# Altium PCB nPOC-BB_beta_main-board.PcbDoc (part 2 of 3)
Units mm, origin at the board's own origin, x right, y up, seen from the top; angles counter-clockwise.
Board outline 84.2 x 118.74 mm, 4 copper layers (Top Layer, Layer 2, Layer 3, Bottom Layer), stack 1.528 mm thick; 240 components, 141 nets, 865 pads, 616 vias.
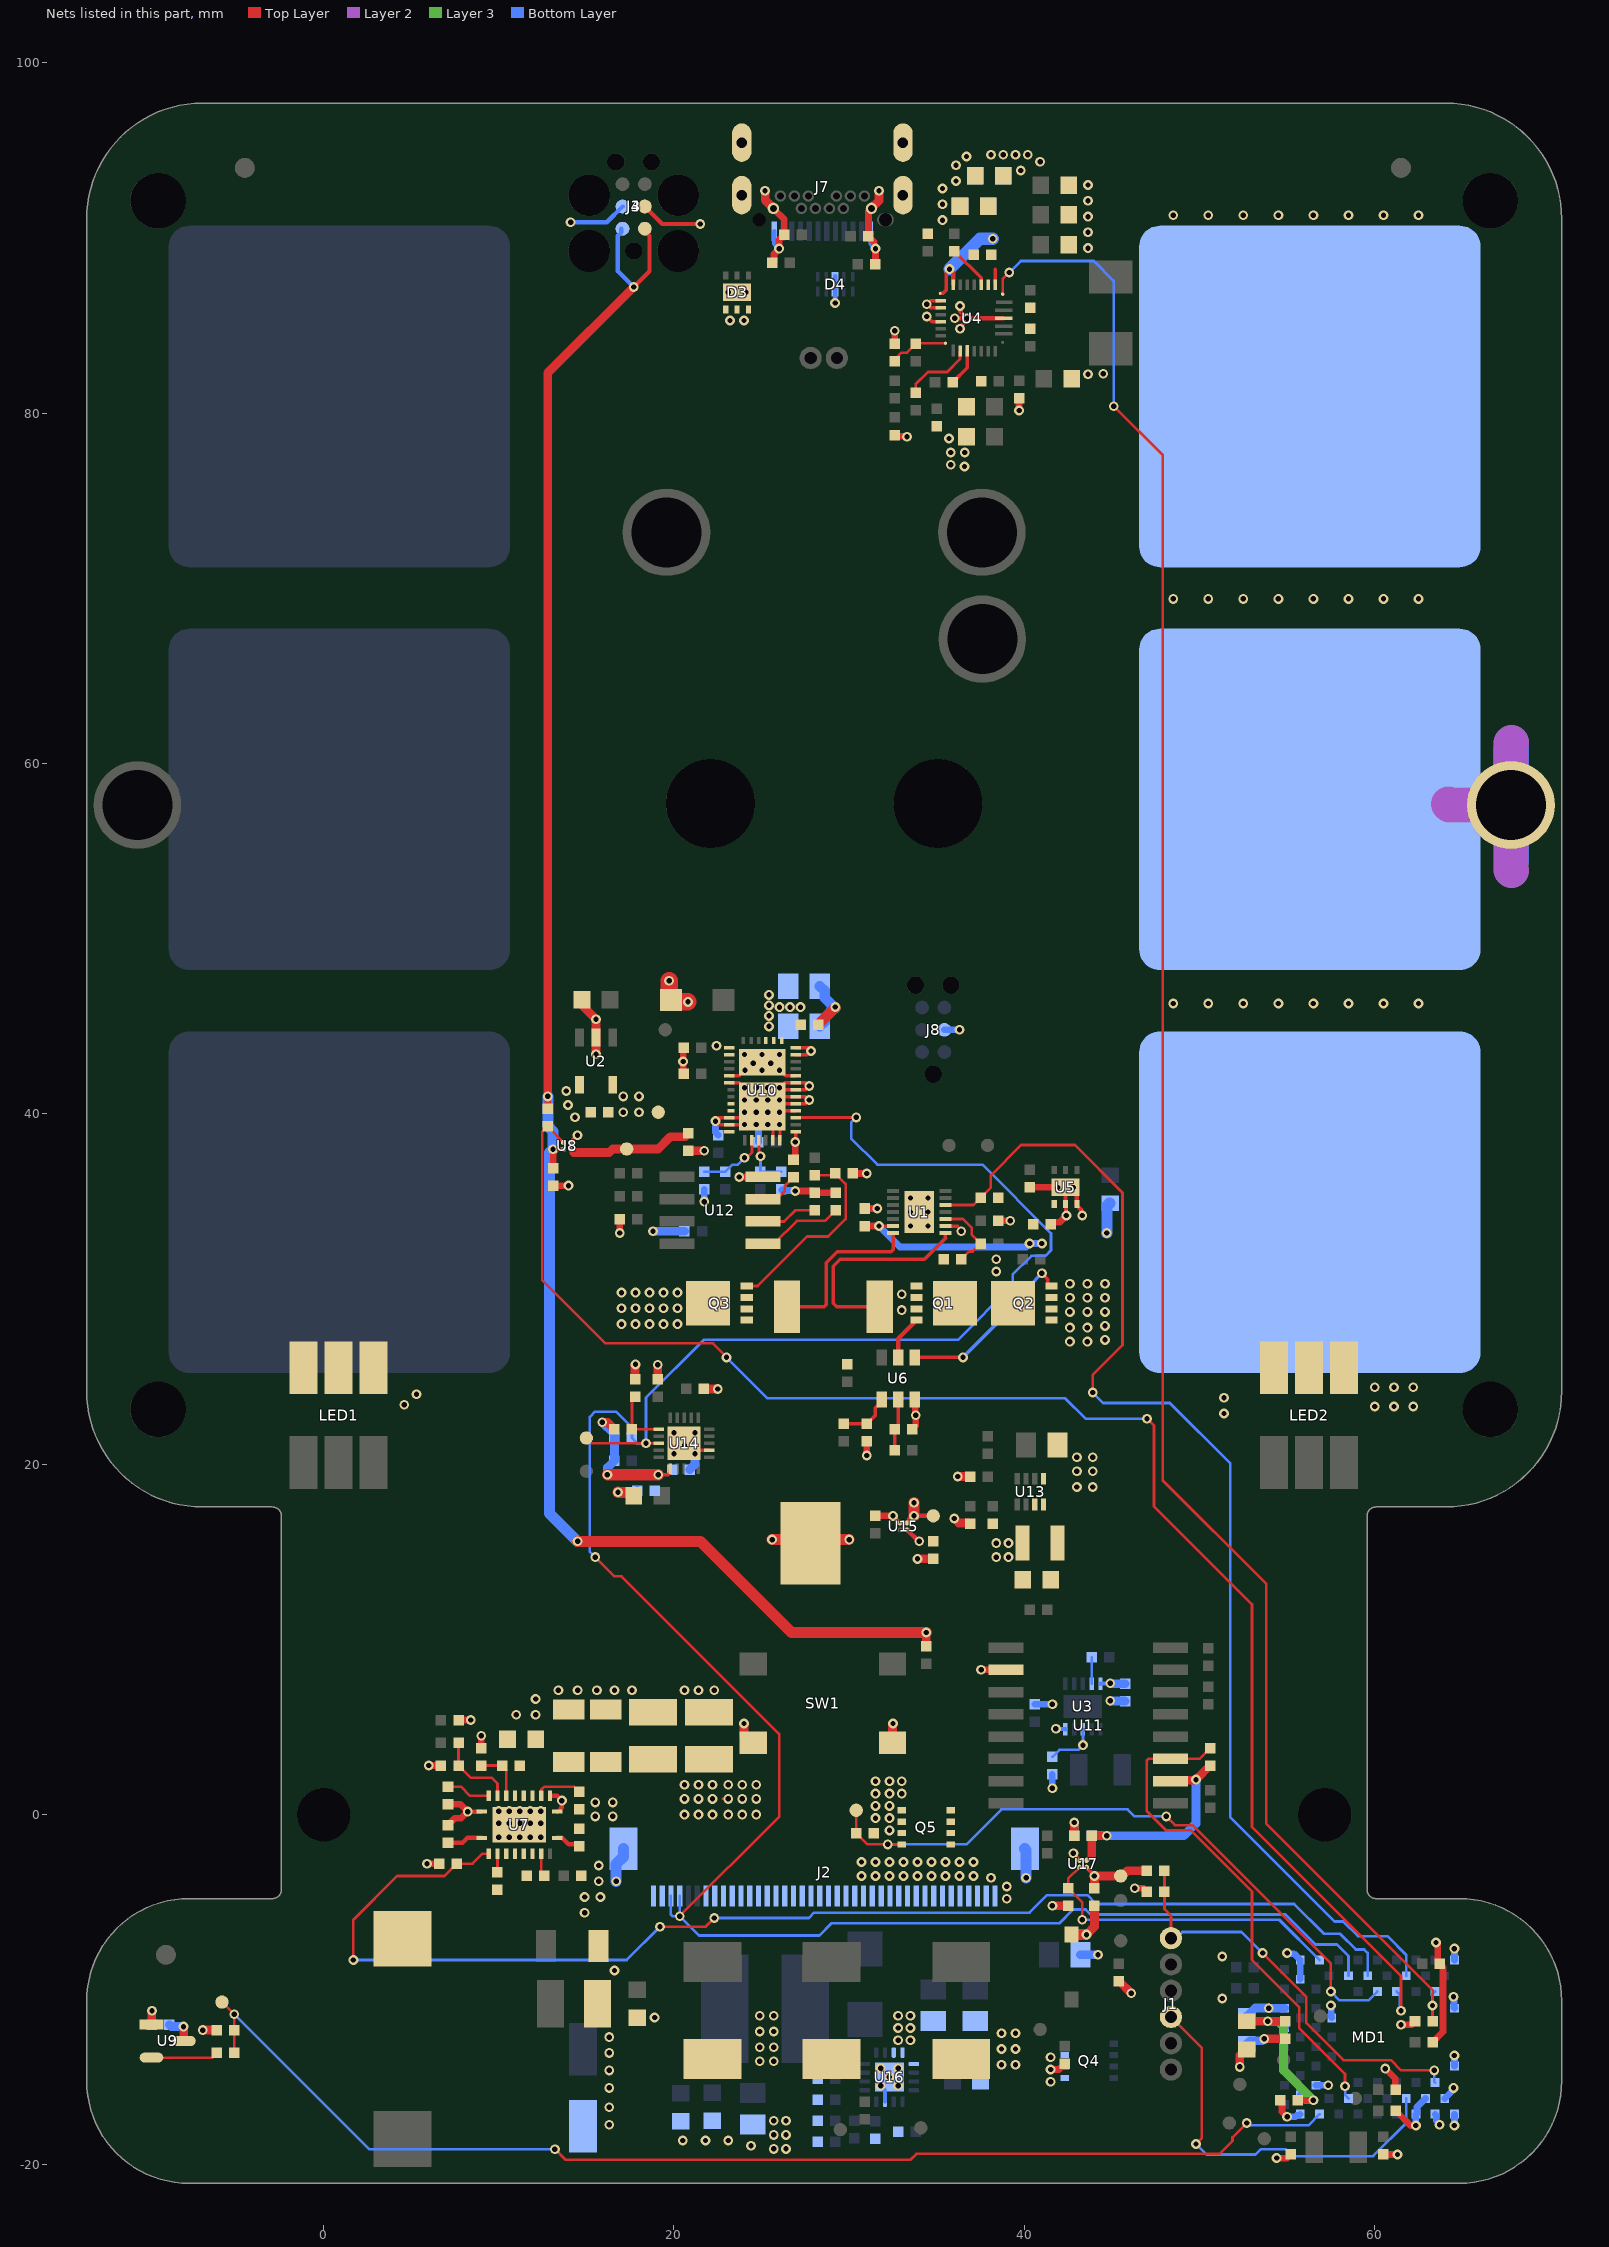
[diagram p4: the nets of this part, all layers, seen from the top]

## Part data (continued)
C55 C56: library part CMP-00652-2, "0402 330 pF 50 V ±5% Tolerance C0G SMT Multilayer Ceramic Capacitor", Case Code (Imperial)=0402, Case Code (Metric)=1005, Dielectric=C0G, Insulation Resistance=10GR, Max Operating Temperature=125°C, Min Operating Temperature=-55°C, Package Quantity=1, Temperature Coefficient=30ppm/°C, Tolerance=5%, Voltage=50V, Case/Package=0402, Construction=Flat, Depth=0.5mm, Height=0.5mm, Install=POP, Lead Free="Lead Free", Length=1mm, Material=Ceramic, Mounting Technology="Surface Mount", Packaging="Tape and Reel", Pins=2, Radiation Hardening=No, Reach SVHC Compliant=No, RoHS Compliant=Yes, Series=GRM, Size=0.5mm, Termination=SMD/SMT, Thickness=0.022inch, Voltage Rating=50V, Voltage Rating (DC)=50V, Width=0.5mm
C57 C58: library part CMP-00654-4, "Multilayer Ceramic Capacitor, 22 uF, 25 V, ± 20%, X5R, 0805 [2012 Metric]", Capacitance=22uF, Install=POP, RoHS Compliant=Yes
C66: library part CMP-00984-1, "0402 8.2 nF 16 V ±10% Tolerance X7R SMT Multilayer Ceramic Capacitor", Case Code (Imperial)=0402, Case Code (Metric)=1005, Dielectric=X7R, Max Operating Temperature=125°C, Min Operating Temperature=-55°C, Package Quantity=1, Tolerance=10%, Voltage Rating=16V, Case/Package=0402, Construction=Flat, Depth=0.5mm, Height=0.5mm, Lead Free="Lead Free", Length=1mm, Mounting Technology="Surface Mount", Packaging="Tape and Reel", Radiation Hardening=No, RoHS Compliant=Yes, Series=GRM, Termination=SMD/SMT, Thickness=0.022inch, Voltage Rating (DC)=16V, Width=0.02inch
C67: library part CMP-00018-1, "DNP CAP", Case Code (Imperial)=0603, Case Code (Metric)=1608, Dielectric=X7R, Manufacturer=Samsung, Manufacturer Part Number=CL10B104KB8NNWC, Max Operating Temperature=125°C, Min Operating Temperature=-55°C, Package Quantity=1, Supplier Part Number 1=1276-1935-1-ND, Tolerance=10%, Voltage Rating=50V, Case/Package=0603, Category="Ceramic Capacitors", ComponentLink1Description=https://datasheet.ciiva.com/6277/s0717e-6277799.pdf?src-supplier=Digi-Key, ComponentLink1URL=https://datasheet.ciiva.com/6277/s0717e-6277799.pdf?src-supplier=Digi-Key, ComponentLink2Description=https://datasheet.ciiva.com/6277/s0717e-6277800.pdf?src-supplier=Digi-Key, ComponentLink2URL=https://datasheet.ciiva.com/6277/s0717e-6277800.pdf?src-supplier=Digi-Key, ComponentLink3Description=https://datasheet.ciiva.com/6277/s0717e-6277801.pdf?src-supplier=Digi-Key, ComponentLink3URL=https://datasheet.ciiva.com/6277/s0717e-6277801.pdf?src-supplier=Digi-Key, ComponentLink4Description=https://datasheet.ciiva.com/25740/cl10b104kb8nnwc-25740227.pdf?src-supplier=Digi-Key, ComponentLink4URL=https://datasheet.ciiva.com/25740/cl10b104kb8nnwc-25740227.pdf?src-supplier=Digi-Key, Construction=Flat, Contact Plating=Tin, Install=DNP, Length=0.063inch, Mount="Surface Mount", Odic Footprint=C0603, Packaging="Cut Tape", Pricing 1="1=0.10000, 10=0.02000, 50=0.01100, 100=0.00910, 500=0.00646, 1000=0.00508 (USD)", RoHS=Yes, RoHS Compliant=Yes, Series=CL, Stock 1=1643, Supplier 1=Digi-Key, Termination=Wraparound, Thickness=0.035inch, Width=0.031inch
C69 C85: library part CMP-00294-2, "Cap Ceramic 10uF 35V X5R 20% Pad SMD 0603 85C T/R", Case Code (Imperial)=0603, Case Code (Metric)=1608, Dielectric=X5R, Max Operating Temperature=85°C, Min Operating Temperature=-55°C, Tolerance=20%, Voltage Rating=35V, Capacitance=10uF, Case/Package=0603, Length=0.063inch, Mount="Surface Mount", Packaging="Cut Tape", RoHS Compliant=Yes, Series=GRM, Thickness=0.039inch, Voltage Rating (DC)=35V, Width=0.031inch
  C69: Install=POP
  C85: Install=DNP
C70 C71: library part CMP-001-00030-1, "Multilayer Ceramic Capacitor, 4.7 uF, 35 V, ± 10%, X7S, 0805 [2012 Metric]", Case Code (Imperial)=0805, Case Code (Metric)=2012, Dielectric=X5R, Max Operating Temperature=85°C, Min Operating Temperature=-55°C, Package Quantity=1, Tolerance=10%, Voltage Rating=50V, Case/Package=0805, Depth=1.25mm, Install=POP, Length=2mm, Material=Ceramic, Mounting Technology="Surface Mount", Packaging="Tape and Reel", Radiation Hardening=No, RoHS Compliant=Yes, Series=CL, Thickness=0.055inch, Voltage Rating (DC)=50V, Width=0.049inch
C72: library part CMP-00293-3, "CAP CER 0.1UF 50V X7R 0603", Case Code (Imperial)=0603, Case Code (Metric)=1608, Dielectric=X7R, Max Operating Temperature=125°C, Min Operating Temperature=-55°C, Package Quantity=1, Tolerance=10%, Voltage Rating=50V, Capacitance=100nF, Case/Package=0603, Construction=Flat, Contact Plating=Tin, Install=POP, Length=0.063inch, Mount="Surface Mount", Packaging="Cut Tape", RoHS Compliant=Yes, Series=CL, Termination=Wraparound, Thickness=0.035inch, Width=0.031inch
C73: library part CMP-00296-2, "CAP CER 1UF 16V X5R 0603", Case Code (Imperial)=0603, Case Code (Metric)=1608, Dielectric=X5R, Max Operating Temperature=85°C, Min Operating Temperature=-55°C, Package Quantity=1, Tolerance=10%, Voltage=16V, Capacitance=1uF, Case/Package=0603, Construction=Flat, Contact Plating=Tin, Depth=0.8mm, Height=0.8mm, Install=POP, Lead Free="Lead Free", Length=1.6mm, Material=Ceramic, Mount="Surface Mount", Packaging="Tape and Reel", Radiation Hardening=No, RoHS Compliant=Yes, Series=CL, Thickness=0.035inch, Voltage Rating=16V, Voltage Rating (DC)=16V, Width=0.031inch
C74: library part CMP-00748-2, "Cap Cer 0.1UF 25V X7R 0805", Capacitance="0.1 uF", Maximum Voltage=25V, Tolerance=10%
C76: library part CMP-00937-1, "Cap Ceramic 300pF 50V C0G 5% SMD 0402 125°C Paper T/R", Case Code (Imperial)=0402, Case Code (Metric)=1005, Dielectric Material=Ceramic, Max Operating Temperature=125°C, Min Operating Temperature=-55°C, Tolerance=5%, Voltage Rating=50V, Case/Package=0402, Lead Free="Lead Free", Material=Ceramic, Packaging="Cut Tape", Pins=2, RoHS Compliant=Yes, Series="SMD Comm C0G", Voltage Rating (DC)=50V
C83: library part CMP-00975-1, "Multilayer Ceramic Capacitor, 4.7 uF, 16 V, ± 10%, X5R, 0805 [2012 Metric]", Case Code (Imperial)=0805, Case Code (Metric)=2012, Dielectric=X5R, Max Operating Temperature=85°C, Min Operating Temperature=-55°C, Package Quantity=3000, Tolerance=10%, Voltage=16V, Case/Package=0805, Depth=1.25mm, Height=1.25mm, Lead Free="Lead Free", Length=0.079inch, Material=Ceramic, Mounting Technology="Surface Mount", Packaging="Cut Tape", RoHS Compliant=Yes, Series=CL, Thickness=0.053inch, Voltage Rating=16V, Voltage Rating (DC)=16V, Width=0.049inch
C84: library part CMP-00371-1, "CAP CER 22UF 6.3V X5R 0603", Capacitance=22uF, Case Code (Imperial)=0603, Case Code (Metric)=1608, Dielectric=X5R, Max Operating Temperature=85°C, Min Operating Temperature=-55°C, Package Quantity=1, Tolerance=20%, Voltage=6.3V, Case/Package=0603, Construction=Flat, Contact Plating=Tin, Depth=0.8mm, Height=0.8mm, Install=POP, Length=1.6mm, Material=Ceramic, Mount="Surface Mount", Packaging="Tape and Reel", Radiation Hardening=No, RoHS Compliant=Yes, Series=CL, Thickness=0.039inch, Voltage Rating=6.3V, Width=0.031inch
D1: library part CMP-00963-2, "MMSZ5254BT1G Zener Diode, 27V 5% 500 mW SMT 2-Pin SOD-123", Breakdown Voltage=14.25V, Case/Package=SOD-123-2, Forward Voltage=900mV, Max Breakdown Voltage=15.75V, Max Operating Temperature=150°C, Max Power Dissipation=500mW, Max Reverse Current=100nA, Min Operating Temperature=-55°C, Package Quantity=3000, Peak Pulse Current=1.9A, Reverse Standoff Voltage=12V, Test Current=4.6mA, Tolerance=5%, Voltage Rating (DC)=27V, Zener Current=10mA, Diode Type=ZENER, Height=1.25mm, Impedance=41R, Lead Free="Lead Free", Length=2.84mm, Material=Plastic, Max Reverse Leakage Current=100nA, Min Breakdown Voltage=14.25V, Packaging="Tape and Reel", Pins=2, Polarity=Unidirectional, Power Dissipation=500mW, Power Rating=500mW, Radiation Hardening=No, Reach SVHC Compliant=No, RoHS Compliant=Yes, Series=-, Termination=SMD/SMT, Voltage Tolerance=5%, Width=1.8mm, Working Voltage=27V, Zener Voltage=27V
D2: library part CMP-00259-3, "Diode Schottky 20V 1A 2-Pin SOD-123FL T/R", Max Operating Temperature=125°C, Max Repetitive Reverse Voltage (Vrrm)=20V, Max Reverse Current=500uA, Min Operating Temperature=-55°C, Peak Non-Repetitive Surge Current=40A, Element Configuration=Single, Install=POP, Mount="Surface Mount", Number of Pins=2, Radiation Hardening=No, RoHS Compliant=Yes
D3: library part CMP-00678-2, "22-V flat-clamp surge protection device 6-WSON -40 to 125", Clamping Voltage=28V, Max Operating Temperature=125°C, Min Operating Temperature=-40°C, Install=POP, Mounting Technology="Surface Mount", Number of Channels=1, Number of Circuits=1, Packaging="Cut Tape", RoHS Compliant=Yes, Series=-
D4: library part CMP-00677-2, "Quad 0.25-pF, ±3.6-V, ±12-kV ESD protection diode for USB 3.0, HDMI 2.0 & High Speed Signals", Max Operating Temperature=125°C, Min Breakdown Voltage=5.5V, Min Operating Temperature=-40°C, Operating Supply Voltage=3.6V, Peak Pulse Current=5A, Peak Pulse Power=17W, Power Line Protection=No, Diode Type=ZENER, Install=POP, Interface=USB,HDMI, Lead Free="Lead Free", Mounting Technology="Surface Mount", Number of Bidirectional Channels=4, Number of Channels=4, Packaging="Cut Tape", Pins=10, Reach SVHC Compliant=No, Reverse Standoff Voltage=3.6V, RoHS Compliant=Yes, Series=-
D7: library part CMP-004-00003-5, "Diode Schottky 40V 2A 2-Pin DO-214AC T/R", Average Rectified Current=2A, Case/Package=SMA, Max Reverse Voltage (DC)=40V, Install=POP, Mount="Surface Mount", Packaging="Tape and Reel", RoHS Compliant=Yes
J1: library part CMP-00968-2, "Header B6B-ZR, 1.50mm, 6-contacts, top entry, THT, /2000/box", Color=Natural, Contact Resistance=20mR, Current Rating=1A, Insulation Resistance=500MR, Package Quantity=2000, Test Voltage=500V, Contact Material=Bronze,Tin, Contact Mating Length=0.094inch, Contact Plating=Tin,Lead, Contact Type="Male Pin", Fastening Type=Detent, Gender=Male, Housing Color=Natural, Housing Material=Nylon, Lead Free="Contains Lead", Mounting Technology="Through Hole", Number of Contacts=6, Number of Positions=6, Number of Rows=1, Orientation=Vertical, Packaging=Bulk, Pitch=0.059inch, Series=ZH, Termination=Press-Fit
J2: library part CMP-00970-3, ".50MM Ffc/fpc Connectors 40CKT R/a SMT Zif Botton Contact", Contact Resistance=20mR, Current Rating=500mA, Flammability Rating="UL94 V-0", Housing Color=Black, Insulation Resistance=50MR, Max Operating Temperature=85°C, Min Operating Temperature=-20°C, Package Quantity=1, Voltage Rating=50V, Actuator Material=Polyphenylene, Contact Location=Bottom, Contact Material=Bronze, Contact Plating=Tin, Depth=5.6mm, Gender=Receptacle, Housing Material=Nylon, Lead Free="Lead Free", Lead Pitch=0.5mm, Length=25.5mm, Mounting Technology="Surface Mount", Number of Contacts=40, Number of Positions=40, Number of Rows=1, Orientation="Right Angle", Packaging="Tape and Reel", Pitch=0.5mm, Radiation Hardening=No, RoHS Compliant=Yes, Series=54132, Termination=Solder, Voltage Rating (DC)=50V, Wire/Cable Type=Straight
J3 J4: library part CMP-00997-3, "Cbl Plug-of-nails to Cortex Swd", Series=Plug-Of-Nails™
J7: library part CMP-00680-3, "USB C Connector, 24 Contact(s), Female, Right Angle, Solder and Surface Mount Terminal, Locking, Receptacle", Insulation Color=Black, Max Operating Temperature=80°C, Min Operating Temperature=-30°C, Voltage Rating=20V, Connector Type=USB, Contact Plating=Gold, Gender=Receptacle, Install=POP, Mating Cycles=10000, Mounting Technology="Surface Mount,Through Hole,Horizontal", Number of Contacts=24, Number of Ports=1, Packaging="Cut Tape", RoHS Compliant=Yes, Series=DX07, Shielding=Shielded, Termination=Solder
J8: library part CMP-00144-9, "6 Pin Tag-Connect Header Footprint. Pads.", Install=DNP
J9: library part CMP-00969-2, "Board Connector, 2 Contact(s), 1 Row(s), Male, Straight, Solder Terminal", Color=Natural, Contact Resistance=20mR, Current Rating=1A, Insulation Resistance=500MR, Package Quantity=2000, Test Voltage=500V, Contact Material=Bronze,Tin, Contact Mating Length=0.094inch, Contact Plating=Tin,Lead, Contact Type="Male Pin", Fastening Type=Detent, Gender=Male, Housing Color=Natural, Housing Material=Nylon, Lead Free="Contains Lead", Mounting Technology="Through Hole", Number of Contacts=2, Number of Positions=2, Number of Rows=1, Orientation=Vertical, Packaging=Bulk, Pitch=0.059inch, Series=ZH, Termination=Press-Fit
L1: library part CMP-00675-2, "FIXED IND 2.2UH 5.8A 29 MOHM", Case/Package=Nonstandard, Current Rating=5.8A, DC Resistance (DCR)=29mR, Max Operating Temperature=125°C, Min Operating Temperature=-55°C, Saturation Current=9A, Test Frequency=100kHz, Tolerance=20%, Core Material=Metal, Height - Seated (Max)=0.118inch, Install=POP, Length=0.205inch, Mounting Technology="Surface Mount", Packaging="Tape and Reel", RoHS Compliant=Yes, Series=0530CDMC/DS, Shielding=Shielded, Width=0.205inch
L2: library part CMP-00976-2, "Inductor Power Shielded Wirewound 4.7uH 20% 100KHz Powdered Iron 10A 15mOhm DCR 5050 T/R", Case/Package=5050, Current Rating=10A, DC Resistance (DCR)=15mR, Inductance Tolerance=20%, Inductor Type="HIGH FREQUENCY", Max Operating Temperature=125°C, Min Operating Temperature=-55°C, Package Quantity=500, Saturation Current=24A, Self Resonant Frequency=5MHz, Test Frequency=100kHz, Core Material=Metal,Composite,Ferrite, Depth=12.9mm, ESR=15mR, Height=3.5mm, Lead Free="Lead Free", Length=13.2mm, Max Current Rating=10A, Max DC Current=10A, Military Standard=Not, Mounting Technology="Surface Mount", Packaging="Tape and Reel", Pins=5050, Radiation Hardening=No, Reach SVHC Compliant=Unknown, RMS Current (Irms)=10A, RoHS Compliant=Yes, Series=IHLP-5050CE-01, Shielding=Shielded, Termination=SMD/SMT, Tolerance=20%, Width=12.9mm
L3: library part CMP-00972-2, "Ind Power Chip Shielded Wirewound 2.2uH 20% 1MHz Metal 2.2A 1008 Emboss T/R", Current Rating=2.2A, Inductance=2.2uH, Saturation Current=2.8A, Tolerance=+/-20%, DCR="84 mOhm max", RoHS Compliant=Yes
L4: library part CMP-00936-3, "WE-LQSA SMT Semi-Shielded Power Inductor 1.5uH 6.1 A 13mOhm Max", Current Rating=6.1A, Saturation Current=9.7A, Install=POP
LED1 LED2: library part CMP-00100-4, "Blue/Red/Green 100º 400/800/1000 mcd Clear Surface Mount LED Lamp", Case/Package=SMD/SMT, Color=Blue,Green,Red, Forward Current=20mA, Forward Voltage=3.3V, Lens Color=Clear, Max Operating Temperature=85°C, Min Operating Temperature=-40°C, Package Quantity=500, Test Current=30mA, Dominant Wavelength=465nm, Height=2.3mm, Illumination Color=Blue,Green,Red, Install=POP, Lead Free="Lead Free", Length=5mm, Lens Style=Clear, Luminous Intensity=400mcd, Mount="Surface Mount", Packaging="Cut Tape", RoHS Compliant=Yes, Viewing Angle=100°, Width=6mm
MD1: library part CMP-002-000005-3, "BMD-340 Series 3.6 V 2.5 GHz -96 dBm Stand-Alone Bluetooth 5 Low Energy Module", Case/Package=Module, Current - Receiving=11.7mA, Current - Transmitting=26.7mA, Frequency=2.5GHz, Max Operating Temperature=85°C, Min Operating Temperature=-40°C, Package=None, Data Rate=2Mbps, Design Item ID=BMD-330-A-R, Install=POP, Interface=I2C,SPI,UART, Memory Size=256KB, Mounting Technology="Surface Mount", MP=BMD-330-A-R, Packaging="Tape and Reel", Price=None, RoHS Compliant=Yes, Sensitivity=-103dBm, Series=BMD-34, Source=BMD-330-A-R.SchLib
MNT1 MNT4 MNT5: library part CMP-00998-2, "4mm hole to accept banana plug"
MNT2 MNT3: library part CMP-001-0010-3, "Hole for 10AWG solder connection"
Q1 Q2 Q3: library part CMP-00688-4, "30-V, N channel NexFET™ power MOSFET, single SON 3 mm x 3 mm, 6.4 mOhm 8-VSONP -55 to 150", Case/Package=VSON, Continuous Drain Current (ID)=19A, Drain to Source Breakdown Voltage=30V, Drain to Source Resistance=5.3mR, Gate to Source Voltage (Vgs)=20V, Input Capacitance=2.31nF, Max Operating Temperature=150°C, Max Power Dissipation=53W, Min Operating Temperature=-55°C, Package Quantity=250, Power Dissipation=2.8W, Threshold Voltage=1.4V, Contact Plating=Tin, Drain to Source Voltage (Vdss)=30V, Element Configuration=Single, Fall Time=4ns, Install=POP, Lead Free="Lead Free", Mounting Technology="Surface Mount", Number of Channels=1, Number of Elements=1, Packaging="Tape and Reel", Pins=8, Polarity=N-CHANNEL, Rds On Max=4.8mR, Reach SVHC Compliant=No, Rise Time=31ns, RoHS Compliant=Yes, Series=NexFET™, Turn-Off Delay Time=20ns, Turn-On Delay Time=4ns
Q4 Q5: library part CMP-00921-2, "Trans Mosfet N-ch 30V 28A 8-PIN Dfn-a Ep", Case/Package=DFN, Continuous Drain Current (ID)=28A, Drain to Source Voltage (Vdss)=30V, Input Capacitance=2.25nF, Max Operating Temperature=150°C, Max Power Dissipation=32W, Min Operating Temperature=-55°C, Install=POP, Mounting Technology="Surface Mount", Packaging="Cut Tape", Rds On Max=3.3mR, RoHS Compliant=Yes, Series=AlphaMOS
R1 R63 R64 R65 R66 R67 R68: library part CMP-00319-1, "RES 0 OHM JUMPER 1/16W 0402", Case Code (Imperial)=0402, Case Code (Metric)=1005, Current Rating=1A, Max Operating Temperature=155°C, Max Power Dissipation=63mW, Min Operating Temperature=-55°C, Resistor Type="Thick Film", Working Voltage=50V, Case/Package=0402, Construction=Rectangular, Contact Plating=Tin,Matte, Depth=0.5mm, Features="Automotive AEC-Q200", Height=0.016inch, Install=POP, Lead Free="Lead Free", Length=0.039inch, Military Standard=Not, Mount="Surface Mount", Number of Terminations=2, Packaging="Tape and Reel", Power Rating=63mW, Radiation Hardening=No, Resistance=0R, RoHS Compliant=Yes, Series=RMCF, Technology="THICK FILM", Width=0.02inch
R2: library part CMP-00334-1, "Res Thkflm 0603 0 Ohm Jumper 1/10W 100Ppm/ C Smd Rohs Compliant: Yes", Case Code (Imperial)=0603, Case Code (Metric)=1608, Current Rating=1A, Max Operating Temperature=155°C, Max Power Dissipation=100mW, Min Operating Temperature=-55°C, Resistance=0R, Resistor Type="Thick Film", Working Voltage=75V, Case/Package=0603, Construction=Rectangular, Contact Plating=Tin,Matte, Depth=0.8mm, Features="Automotive AEC-Q200", Height=0.022inch, Install=POP, Lead Free="Lead Free", Length=1.55mm, Military Standard=Not, Mount="Surface Mount", Number of Terminations=2, Packaging="Tape and Reel", Power Rating=100mW, Radiation Hardening=No, RoHS Compliant=Yes, Series=RMCF, Width=0.031inch
R3 R17 R19 R33 R38 R57 R58 R69: library part CMP-00351-1, "Res General Purpose Thick Film 0402 100K Ohm 1% 1/16W ±100ppm/°C Molded SMD Paper T/R", Case Code (Imperial)=0402, Case Code (Metric)=1005, Max Operating Temperature=155°C, Max Power Dissipation=63mW, Min Operating Temperature=-55°C, Package Quantity=1, Resistance=100kR, Resistance Tolerance=1%, Resistor Type="Thick Film", Temperature Coefficient=100ppm/°C, Voltage Rating=50V, Case/Package=0402, Construction=Rectangular, Depth=0.5mm, Features="Moisture Resistant", Height=0.016inch, Install=POP, Lead Free="Lead Free", Length=0.039inch, Military Standard=Not, Number of Terminations=2, Packaging="Tape and Reel", Power Rating=63mW, REACH SVHC="No SVHC", RoHS Compliant=Yes, Series=RC, Technology="THICK FILM", Termination=SMD/SMT, Tolerance=1%, Width=0.02inch, Working Voltage=50V
R4: library part CMP-00307-2, "Surface Mount Chip Resistor, Thick Film, RC Series, 1 kohm, 62.5 mW, 1%, 50 V, 0402 [1005 Metric]", Case Code (Imperial)=0402, Case Code (Metric)=1005, Max Operating Temperature=155°C, Max Power Dissipation=63mW, Min Operating Temperature=-55°C, Power Rating=62.5mW, Resistance=1kR, Resistance Tolerance=1%, Resistor Type="Thick Film", Temperature Coefficient=100ppm/°C, Voltage Rating=50V, Case/Package=0402, Construction=Rectangular, Depth=0.5mm, Features="Moisture Resistant", Height=0.32mm, Install=POP, Lead Free="Lead Free", Length=1mm, Military Standard=Not, Number of Pins=2, Number of Terminations=2, Packaging="Tape and Reel", REACH SVHC="No SVHC", RoHS Compliant=Yes, Series=RC, Size Code=0402, Technology="THICK FILM", Termination=SMD/SMT, Tolerance=1%, Voltage Rating (DC)=50V, Width=0.5mm
R5 R6 R7 R8 R11 R12 R23 R35 R36: library part CMP-00336-2, "RES 4.7K OHM 1% 1/16W 0402", Case Code (Imperial)=0402, Case Code (Metric)=1005, Max Operating Temperature=155°C, Max Power Dissipation=63mW, Min Operating Temperature=-55°C, Power Rating=62.5mW, Resistance=4.7kR, Resistance Tolerance=1%, Resistor Type="Thick Film", Temperature Coefficient=100ppm/°C, Voltage Rating=50V, Case/Package=0402, Construction=Rectangular, Depth=0.5mm, Features="Moisture Resistant", Height=0.32mm, Height - Seated (Max)=0.016inch, Install=POP, Lead Free="Lead Free", Length=1mm, Military Standard=Not, Number of Pins=2, Number of Terminations=2, Packaging="Tape and Reel", REACH SVHC="No SVHC", RoHS Compliant=Yes, Series=RC, Size Code=0402, Termination=SMD/SMT, Tolerance=1%, Voltage Rating (DC)=50V, Width=0.5mm
R9 R10: library part CMP-009-00036-1, "SMD Chip Resistor, 27 Ohm, ± 1%, 100 mW, 0402 [1005 Metric], Thick Film, Precision", Case Code (Imperial)=0402, Case Code (Metric)=1005, Max Operating Temperature=155°C, Max Power Dissipation=100mW, Min Operating Temperature=-55°C, Package Quantity=1, Resistance Tolerance=1%, Resistor Type="Thick Film", Temperature Coefficient=100ppm/°C, Voltage Rating=50V, Case/Package=0402, Contact Plating=Tin, Depth=0.5mm, Features="Automotive AEC-Q200", Height=0.35mm, Install=POP, Lead Free="Lead Free", Length=1mm, Mounting Technology="Surface Mount", Number of Terminations=2, Packaging="Tape and Reel", Pins=2, Power Rating=100mW, Reach SVHC Compliant=No, RoHS Compliant=Yes, Series=ERJ, Technology="THICK FILM", Termination=SMD/SMT, Tolerance=1%, Voltage Rating (DC)=50V, Weight=2.8E-05oz, Width=0.5mm
R13: library part CMP-00991-1, "SMD Chip Resistor, 200 kOhm, ± 0.1%, 63 mW, 0402 [1005 Metric], Thin Film, Precision", Case Code (Imperial)=0402, Case Code (Metric)=1005, Max Operating Temperature=155°C, Max Power Dissipation=63mW, Min Operating Temperature=-55°C, Number of Resistors=1, Operating Supply Voltage=25V, Package Quantity=1000, Resistance Tolerance=0.1%, Resistor Type="Thin Film", Temperature Coefficient=25ppm/°C, Case/Package=0402, Contact Plating=Tin, Depth=500um, ELV=Compliant, Height=0.3mm, Lead Free="Lead Free", Length=1mm, Military Standard=Not, Mounting Technology="Surface Mount", Number of Terminations=2, Packaging="Tape and Reel", Power Rating=63mW, Radiation Hardening=No, Reach SVHC Compliant=No, RoHS Compliant=Yes, Series=CPF, Termination=Solder, Tolerance=0.1%, Voltage Rating=25V, Voltage Rating (DC)=25V, Weight=2.3E-05oz, Width=0.5mm
R14: library part CMP-009-00016-1, "Res General Purpose Thick Film 0402 100 Ohm 1% 1/16W ±200ppm/°C Molded SMD Paper T/R", Case Code (Imperial)=0402, Case Code (Metric)=1005, Max Operating Temperature=155°C, Max Power Dissipation=63mW, Min Operating Temperature=-55°C, Power Rating=62.5mW, Resistance Tolerance=1%, Resistor Type="Thick Film", Temperature Coefficient=100ppm/°C, Voltage Rating=50V, Case/Package=0402, Construction=Rectangular, Depth=0.5mm, Features="Moisture Resistant", Height=0.32mm, Install=POP, Lead Free="Lead Free", Length=1mm, Military Standard=Not, Number of Terminations=2, Packaging="Tape and Reel", Pins=2, Reach SVHC Compliant=No, RoHS Compliant=Yes, Series=RC, Technology="THICK FILM", Termination=SMD/SMT, Tolerance=1%, Voltage Rating (DC)=50V, Width=0.5mm
R15: library part CMP-01000-1, "Res, 330K, 0.1W, 0402, Thin Film Rohs Compliant: Yes", Package=0402, Tolerance=0.1%
R16 R20 R39 R40 R47 R72 R74 R77: library part CMP-00319-1, "RES 0 OHM JUMPER 1/16W 0402", Case Code (Imperial)=0402, Case Code (Metric)=1005, Current Rating=1A, Max Operating Temperature=155°C, Max Power Dissipation=63mW, Min Operating Temperature=-55°C, Resistance=0R, Resistor Type="Thick Film", Working Voltage=50V, Case/Package=0402, Construction=Rectangular, Contact Plating=Tin,Matte, Depth=0.5mm, Features="Automotive AEC-Q200", Height=0.016inch, Lead Free="Lead Free", Length=0.039inch, Military Standard=Not, Mount="Surface Mount", Number of Terminations=2, Packaging="Tape and Reel", Power Rating=63mW, Radiation Hardening=No, RoHS Compliant=Yes, Series=RMCF, Technology="THICK FILM", Width=0.02inch
  R16 R39 R40 R47 R72 R77: Install=POP
  R20 R74: Install=DNP
R18: library part CMP-00365-2, "NTC Thermistor 10k 0603 (1608 Metric)", Case Code (Imperial)=0603, Case Code (Metric)=1608, Max Operating Temperature=125°C, Max Power Dissipation=100mW, Min Operating Temperature=-40°C, Resistance Tolerance=1%, Case/Package=0603, Install=POP, Reach SVHC Compliant=Yes, RoHS Compliant=Yes, Series=NCU
R21 R24: library part CMP-00335-2, "Res Thick Film 0402 470 Ohm 1% 0.063W(1/16W) ±100ppm/C Pad SMD T/R", Case Code (Imperial)=0402, Case Code (Metric)=1005, Max Operating Temperature=155°C, Max Power Dissipation=63mW, Min Operating Temperature=-55°C, Package Quantity=1, Power Rating=62.5mW, Resistance=470R, Resistance Tolerance=1%, Resistor Type="Thick Film", Temperature Coefficient=100ppm/°C, Voltage Rating=50V, Case/Package=0402, Construction=Rectangular, Depth=0.5mm, Features="Moisture Resistant", Height=0.016inch, Install=POP, Lead Free="Lead Free", Length=1mm, Military Standard=Not, Number of Terminations=2, Packaging="Tape and Reel", REACH SVHC="No SVHC", RoHS Compliant=Yes, Series=RC, Size Code=0402, Termination=SMD/SMT, Tolerance=1%, Width=0.02inch
R22: library part CMP-00977-1, "SMD Chip Resistor, 8.2 kOhm, ± 1%, 62.5 mW, 0402 [1005 Metric], Thick Film, General Purpose", Case Code (Imperial)=0402, Case Code (Metric)=1005, Max Operating Temperature=155°C, Max Power Dissipation=63mW, Min Operating Temperature=-55°C, Package Quantity=1, Resistance Tolerance=1%, Resistor Type="Thick Film", Temperature Coefficient=100ppm/°C, Voltage Rating=50V, Case/Package=0402, Construction=Rectangular, Depth=0.5mm, Features="Moisture Resistant", Height=0.016inch, Lead Free="Lead Free", Length=1mm, Military Standard=Not, Number of Terminations=2, Packaging="Tape and Reel", Power Rating=63mW, Reach SVHC Compliant=Unknown, RoHS Compliant=Yes, Series=RC, Technology="THICK FILM", Termination=SMD/SMT, Tolerance=1%, Voltage Rating (AC)=50V, Weight=2.3E-05oz, Width=0.02inch, Working Voltage=50V
R25: library part CMP-00390-1, "Res General Purpose Thick Film 0402 2K Ohm 1% 1/16W ±100ppm/°C Molded SMD Paper T/R", Case Code (Imperial)=0402, Case Code (Metric)=1005, Max Operating Temperature=155°C, Max Power Dissipation=63mW, Min Operating Temperature=-55°C, Package Quantity=1, Resistance=2kR, Resistance Tolerance=1%, Resistor Type="Thick Film", Temperature Coefficient=100ppm/°C, Voltage Rating=50V, Case/Package=0402, Construction=Rectangular, Depth=0.5mm, Features="Moisture Resistant", Height=0.016inch, Install=POP, Lead Free="Lead Free", Length=0.039inch, Military Standard=Not, Number of Terminations=2, Packaging="Tape and Reel", Power Rating=63mW, RoHS Compliant=Yes, Series=RC, Technology="THICK FILM", Termination=SMD/SMT, Tolerance=1%, Voltage Rating (DC)=50V, Width=0.02inch, Working Voltage=50V
R26 R27 R28 R29 R41 R42 R43 R44 R45 R46 R48 R49 R50 R53 R59 R62: library part CMP-00352-1, "Res Thick Film 0402 10K Ohm 1% 1/16W ±100ppm/°C Molded SMD SMD T/R", Case Code (Imperial)=0402, Case Code (Metric)=1005, Max Operating Temperature=155°C, Max Power Dissipation=63mW, Min Operating Temperature=-55°C, Package Quantity=1, Resistance=10kR, Resistor Type="Thick Film", Temperature Coefficient=100ppm/°C, Tolerance=1%, Case/Package=0402, Construction=Rectangular, Contact Plating=Tin, Depth=0.5mm, Features="Moisture Resistant", Height=0.016inch, Length=0.039inch, Military Standard=Not, Mount="Surface Mount", Number of Terminations=2, Packaging="Tape and Reel", Power Rating=63mW, Radiation Hardening=No, RoHS Compliant=Yes, Series=RC, Size Code=0402, Width=0.02inch
  R26 R27 R28 R29 R41 R42 R43 R44 R45 R46 R48 R49 R53 R59 R62: Install=POP
  R50: Install=DNP
R30 R55: library part CMP-00015-3, "Unpopulated 0402 pads. No part number associated with this \"component\"", Install=DNP, Odic Footprint=R0402
R31: library part CMP-00742-2, "SMD Chip Resistor, 18 kOhm, ± 1%, 63 mW, 0402 [1005 Metric], Thick Film, General Purpose", Case Code (Imperial)=0402, Case Code (Metric)=1005, Max Operating Temperature=155°C, Max Power Dissipation=63mW, Min Operating Temperature=-55°C, Package Quantity=1, Resistance Tolerance=1%, Resistor Type="Thick Film", Temperature Coefficient=100ppm/°C, Voltage Rating=50V, Case/Package=0402, Construction=Rectangular, Depth=0.5mm, Features="Moisture Resistant", Height=0.016inch, Install=POP, Lead Free="Lead Free", Length=1mm, Military Standard=Not, Number of Terminations=2, Packaging="Tape and Reel", Power Rating=63mW, Reach SVHC Compliant=Unknown, RoHS Compliant=Yes, Series=RC, Technology="THICK FILM", Termination=SMD/SMT, Tolerance=1%, Voltage Rating (AC)=50V, Width=0.02inch
R32: library part CMP-00966-1, "Res Thick Film 0402 332K Ohm 1% 0.1W(1/10W) ±100ppm/°C Pad SMD Automotive T/R", Case Code (Imperial)=0402, Case Code (Metric)=1005, Max Operating Temperature=155°C, Min Operating Temperature=-55°C, Package Quantity=10000, Power Rating=63mW, Temperature Coefficient=100ppm/°C, Tolerance=1%, Voltage Rating=50V, Case/Package=0402, Construction=Rectangular, Depth=0.5mm, Height=0.35mm, Lead Free="Lead Free", Length=1mm, Military Standard=MIL-R-55342F, Mounting Technology="Surface Mount", Packaging="Tape and Reel", RoHS Compliant=Yes, Series=RK73H, Technology="THICK FILM", Termination=SMD/SMT, Voltage Rating (DC)=50V, Width=0.5mm
R34: library part CMP-00939-1, "Res Thick Film 0402 24.9K Ohm 1% 1/10W ±100ppm/", Case Code (Imperial)=0402, Case Code (Metric)=1005, Max Operating Temperature=155°C, Max Power Dissipation=100mW, Min Operating Temperature=-55°C, Package Quantity=1, Ratings=AEC-Q200, Resistance Tolerance=1%, Resistor Type="Thick Film", Temperature Coefficient=100ppm/°C, Voltage Rating=50V, Case/Package=0402, Construction=Rectangular, Contact Plating=Tin, Depth=0.5mm, Features="Automotive AEC-Q200", Height=0.016inch, Install=POP, Lead Free="Lead Free", Length=1mm, Military Standard=Not, Mounting Technology="Surface Mount", Number of Terminations=2, Packaging="Tape and Reel", Power Rating=100mW, Reach SVHC Compliant=No, RoHS Compliant=Yes, Series=ERJ, Termination=SMD/SMT, Tolerance=1%, Voltage Rating (DC)=50V, Weight=2.8E-05oz, Width=0.5mm
R37: library part CMP-00309-1, "Res Thick Film 0402 33K Ohm 1% 0.063W(1/16W) ±100ppm/C Pad SMD T/R", Case Code (Imperial)=0402, Case Code (Metric)=1005, Max Operating Temperature=155°C, Max Power Dissipation=63mW, Min Operating Temperature=-55°C, Package Quantity=1, Resistance=33kR, Resistance Tolerance=1%, Resistor Type="Thick Film", Temperature Coefficient=100ppm/°C, Voltage Rating=50V, Case/Package=0402, Construction=Rectangular, Depth=0.5mm, Features="Moisture Resistant", Height=0.016inch, Install=POP, Lead Free="Lead Free", Length=1mm, Military Standard=Not, Number of Pins=2, Number of Terminations=2, Packaging="Tape and Reel", Power Rating=63mW, REACH SVHC="No SVHC", RoHS Compliant=Yes, Series=RC, Size Code=0402, Termination=SMD/SMT, Tolerance=1%, Voltage Rating (DC)=50V, Weight=2.3E-05oz, Width=0.5mm
R51: library part CMP-00999-1, "470 kOhms 0.1% 0.063W, 1/16W Chip Resistor 0402 (1005 Metric) Anti-Sulfur, Autom", Package=0402, Tolerance=0.1%
R52: library part CMP-00996-1, "Res Current Sense Metal Strip 2010 0.01 Ohm 1% 2W ±75ppm/°C Molded Emboss T/R", Power Rating=2W
R54: library part CMP-00981-1, "Res Thick Film 0402 267K Ohm 1% 0.063W ±100ppm/°C Molded SMD Paper T/R", Case Code (Imperial)=0402, Case Code (Metric)=1005, Max Operating Temperature=155°C, Max Power Dissipation=63mW, Min Operating Temperature=-55°C, Ratings=AEC-Q200, Temperature Coefficient=100ppm/°C, Tolerance=1%, Voltage Rating=50V, Case/Package=0402, Contact Plating=Tin,Matte, Features="Automotive AEC-Q200", Height=0.016inch, Length=0.039inch, Mounting Technology="Surface Mount", Number of Terminations=2, Packaging="Tape and Reel", Radiation Hardening=No, RoHS Compliant=Yes, Series=RMCF, Width=0.02inch
R56: library part CMP-00986-1, "SMD Chip Resistor, 36.5 kOhm, ï¿½ 1%, 63 mW, 0402 [1005 Metric], Thick Film, General Purpose", Case Code (Imperial)=0402, Case Code (Metric)=1005, Max Operating Temperature=155°C, Max Power Dissipation=63mW, Min Operating Temperature=-55°C, Power Rating=62.5mW, Resistance Tolerance=1%, Resistor Type="Thick Film", Temperature Coefficient=100ppm/°C, Voltage Rating=50V, Case/Package=0402, Construction=Rectangular, Contact Plating=Tin,Matte, Depth=0.5mm, Features="Moisture Resistant", Height=0.016inch, Lead Free="Lead Free", Length=0.039inch, Military Standard=Not, Number of Terminations=2, Packaging="Tape and Reel", Reach SVHC Compliant=No, RoHS Compliant=Yes, Series=RC, Termination=SMD/SMT, Tolerance=1%, Voltage Rating (DC)=50V, Width=0.02inch
R60: library part CMP-00938-1, "SMD Chip Resistor, 3.4 kOhm, ± 1%, 100 mW, 0402 [1005 Metric], Thick Film, Precision", Case Code (Imperial)=0402, Case Code (Metric)=1005, Max Operating Temperature=155°C, Max Power Dissipation=100mW, Min Operating Temperature=-55°C, Package Quantity=1, Ratings=AEC-Q200, Resistance Tolerance=1%, Resistor Type="Thick Film", Temperature Coefficient=100ppm/°C, Voltage Rating=50V, Case/Package=0402, Contact Plating=Tin, Features="Automotive AEC-Q200", Height=0.016inch, Install=POP, Lead Free="Contains Lead", Length=0.039inch, Mounting Technology="Surface Mount", Number of Terminations=2, Packaging="Tape and Reel", Power Rating=100mW, Reach SVHC Compliant=No, RoHS Compliant=Yes, Series=ERJ, Termination=SMD/SMT, Tolerance=1%, Voltage Rating (DC)=50V, Weight=2.8E-05oz, Width=0.5mm
R61: library part CMP-00967-1, "RN73H 0402 (1005Metric) Chip Resistor ±1% ±25ppm/C 14.5kOhm 0.063W 1/16W", Case Code (Imperial)=0402, Case Code (Metric)=1005, Max Operating Temperature=155°C, Min Operating Temperature=-55°C, Power Rating=63mW, Temperature Coefficient=25ppm/°C, Tolerance=1%, Voltage Rating=50V, Case/Package=0402, Packaging="Tape and Reel", Series=RN73H, Termination=SMD/SMT, Voltage Rating (DC)=50V
R70: library part CMP-00985-1, "Fixed Resistor, Metal Glaze/thick Film, 0.063W, 50000ohm, 50V, 1% +/-Tol, 100ppm/Cel, Surface Mount, 0402", Case Code (Imperial)=0402, Case Code (Metric)=1005, Max Operating Temperature=155°C, Min Operating Temperature=-55°C, Package Quantity=10000, Power Rating=63mW, Temperature Coefficient=100ppm/°C, Tolerance=1%, Voltage Rating=50V, Case/Package=0402, Height=0.35mm, Lead Free="Lead Free", Length=1mm, Packaging="Tape and Reel", RoHS Compliant=Yes, Series=CRCW, Termination=SMD/SMT, Weight=2.3E-05oz, Width=0.5mm
R71: library part CMP-00982-1, "Res Thick Film 0402 680K Ohm 1% 1/16W ±100ppm/°C Molded SMD SMD Paper T/R", Case Code (Imperial)=0402, Case Code (Metric)=1005, Max Operating Temperature=155°C, Max Power Dissipation=63mW, Min Operating Temperature=-55°C, Ratings=AEC-Q200, Temperature Coefficient=100ppm/°C, Tolerance=1%, Voltage Rating=50V, Case/Package=0402, Contact Plating=Tin,Matte, Features="Automotive AEC-Q200", Height=0.016inch, Length=0.039inch, Mounting Technology="Surface Mount", Number of Terminations=2, Packaging="Tape and Reel", Radiation Hardening=No, RoHS Compliant=Yes, Series=RMCF, Width=0.02inch
R73: library part CMP-00983-1, "SMD Chip Resistor, 105 kOhm, ± 1%, 63 mW, 0402 [1005 Metric], Thick Film, General Purpose", Case Code (Imperial)=0402, Case Code (Metric)=1005, Max Operating Temperature=155°C, Max Power Dissipation=63mW, Min Operating Temperature=-55°C, Power Rating=62.5mW, Temperature Coefficient=100ppm/°C, Tolerance=1%, Voltage Rating=50V, Case/Package=0402, Contact Plating=Tin,Lead, Features="Moisture Resistant", Height=0.016inch, Lead Free="Lead Free", Length=0.039inch, Number of Terminations=2, Packaging="Tape and Reel", RoHS Compliant=Yes, Series=RC, Termination=SMD/SMT, Width=0.5mm
R75: library part CMP-00973-1, "RC FIXED RESISTOR 0402 (1005Metric) Chip Resistor ±1% ±100ppm/C 619kOhm 0.063W 1/16W", Case Code (Imperial)=0402, Case Code (Metric)=1005, Max Operating Temperature=155°C, Max Power Dissipation=63mW, Min Operating Temperature=-55°C, Power Rating=62.5mW, Temperature Coefficient=100ppm/°C, Tolerance=1%, Voltage Rating=50V, Case/Package=0402, Construction=Rectangular, Contact Plating=Tin,Lead, Depth=0.5mm, Features="Moisture Resistant", Height=0.016inch, Lead Free="Lead Free", Length=1mm, Military Standard=Not, Number of Terminations=2, Packaging="Tape and Reel", RoHS Compliant=Yes, Series=RC, Termination=SMD/SMT, Width=0.5mm
R76: library part CMP-00974-1, "SMD Chip Resistor, 137 kOhm, ± 1%, 63 mW, 0402 [1005 Metric], Thick Film, General Purpose", Case Code (Imperial)=0402, Case Code (Metric)=1005, Max Operating Temperature=155°C, Max Power Dissipation=63mW, Min Operating Temperature=-55°C, Power Rating=62.5mW, Temperature Coefficient=100ppm/°C, Tolerance=1%, Voltage Rating=50V, Case/Package=0402, Contact Plating=Tin,Matte, Features="Moisture Resistant", Height=0.016inch, Lead Free="Lead Free", Length=0.039inch, Number of Terminations=2, Packaging="Tape and Reel", RoHS Compliant=Yes, Series=RC, Technology="THICK FILM", Termination=SMD/SMT, Width=0.5mm, Working Voltage=50V
SC1 SC2 SC3 SC4 SC5 SC6: library part CMP-00992-2, "Cylindrical Battery Contacts, Clips, Holders & Springs C Cell Negative Battery Contact", Package Quantity=100, Contact Plating=Nickel, Lead Free="Lead Free", Material=Steel, Number of Batteries=1, Reach SVHC Compliant=No, RoHS Compliant=Yes, Series=-
SW1: library part CMP-011-00000-2, "Switch Tactile N.O. SPST Round Button Gull Wing 0.05A 12VDC 100000Cycles 1.57N SMD T/R", Case/Package=SMD/SMT, Color=Black, Contact Current Rating=50mA, Contact Resistance=100mR, Max Operating Temperature=60°C, Max Voltage Rating (DC)=12V, Min Operating Temperature=-20°C, Operating Force=160gf, Package Quantity=1, Actuator Length=0.85mm, Actuator Material=Nylon,Polyamide,PA66, Actuator Type=Standard, Contact Material=Silver, Contact Plating=Silver, Current Rating=50mA, Depth=9mm, Illumination Type=Non-Illuminated,Illuminated, Install=POP, Lead Free="Lead Free", Length=6mm, Max Current Rating=50mA, Mechanical Life=100000Cycles, Mounting Technology="Surface Mount", Number of Positions=2, Orientation=Straight, Packaging="Tape and Reel", Reach SVHC Compliant=No, RoHS Compliant=Yes, Series=PTS645, Size=6mm, Switch Function=Off-Mom, Termination="Gull Wing", Throw Configuration=SPST, Voltage Rating (DC)=12V
TP1 TP2 TP3 TP4 TP6 TP7 TP11 TP12 TP13 TP14 TP15 TP18 TP19 TP20 TP21 TP22 TP23 TP24 TP25 TP27 TP28 TP29: library part CMP-00021-4, "Test Point Circle 30", Install=DNP
TP5: library part CMP-00809-3, "Test point clip, SMT Phos Bronze/Silver 1000pc Tape & Reel", Color=White, Package Quantity=1, Contact Material=Bronze, Contact Plating=Silver, Depth=2.48mm, Height=0.09inch, Install=DNP, Insulation Material=Polycarbonate, Lead Free="Lead Free", Length=3.81mm, Material=Bronze,Silver, Mounting Technology="Surface Mount", Number of Contacts=1, Number of Ports=1, Orientation=Straight, Packaging="Tape and Reel", Reach SVHC Compliant=No, RoHS Compliant=Yes, Series=-, Termination=Solder
U1: library part CMP-00482-3, "MAX17263 Series 4.9 V Single/Multi-Cell Ultra-Low Power Fuel-Gauge IC-TDFN-14EP", Install=POP, RoHS Compliant=Yes
U2: library part CMP-058-000001-1, "Fixed 5V LDO Voltage Regulators LDO CMOS LowCurr SOT23 TR 3K", Output Voltage=5V, Install=POP
U3: library part CMP-00812-3, "IC RTC CLK/CALENDAR I2C 10-SON", Case/Package="DFN EP", Max Operating Temperature=85°C, Max Supply Voltage=5.5V, Min Operating Temperature=-40°C, Min Supply Voltage=900mV, Package Quantity=4000, Date Format=Binary, Interface=I2C, Lead Free="Lead Free", Logic Function=Clock, Mounting Technology="Surface Mount", Packaging="Tape and Reel", Pins=10, Radiation Hardening=No, Reach SVHC Compliant=No, RoHS Compliant=Yes, Time Format=HH:MM:SS
U4: library part CMP-058-000000-7, "I2C Controlled, 1-4 Cell, 5-A Buck-Boost Battery Charger with Dual-Input", Mfr_Name="Texas Instruments", Design Item ID=BQ25792RQMR, Install=POP, RefDes=RefDes, RoHS Compliant=Yes, Source=PQ25792RQMR.SchLib, Type=TYPE
U5: library part CMP-00988-2, "LDO Regulator Positive 3.3V 0.15A 6-Pin SON T/R", Case/Package=SON, Dropout Voltage=960mV, Max Operating Temperature=125°C, Max Output Current=150mA, Max Supply Voltage=30V, Min Current Limit=200mA, Min Input Voltage=2.7V, Min Operating Temperature=-40°C, Output Voltage=3.3V, Package Quantity=3000, Accuracy=2%, Height=800um, Lead Free="Lead Free", Length=2mm, Min Supply Voltage=2.7V, Mounting Technology="Surface Mount", Number of Outputs=1, Number of Regulators=1, Output Current=150mA, Output Type=Fixed, Packaging="Tape and Reel", Pins=6, Polarity=Positive, Radiation Hardening=No, RoHS Compliant=Yes, Series=-, Thickness=750um, Width=2mm